# Altium PCB MS-002.23T003升降控制板PCB图 V1.0.PcbDoc (part 1 of 2) (continued)
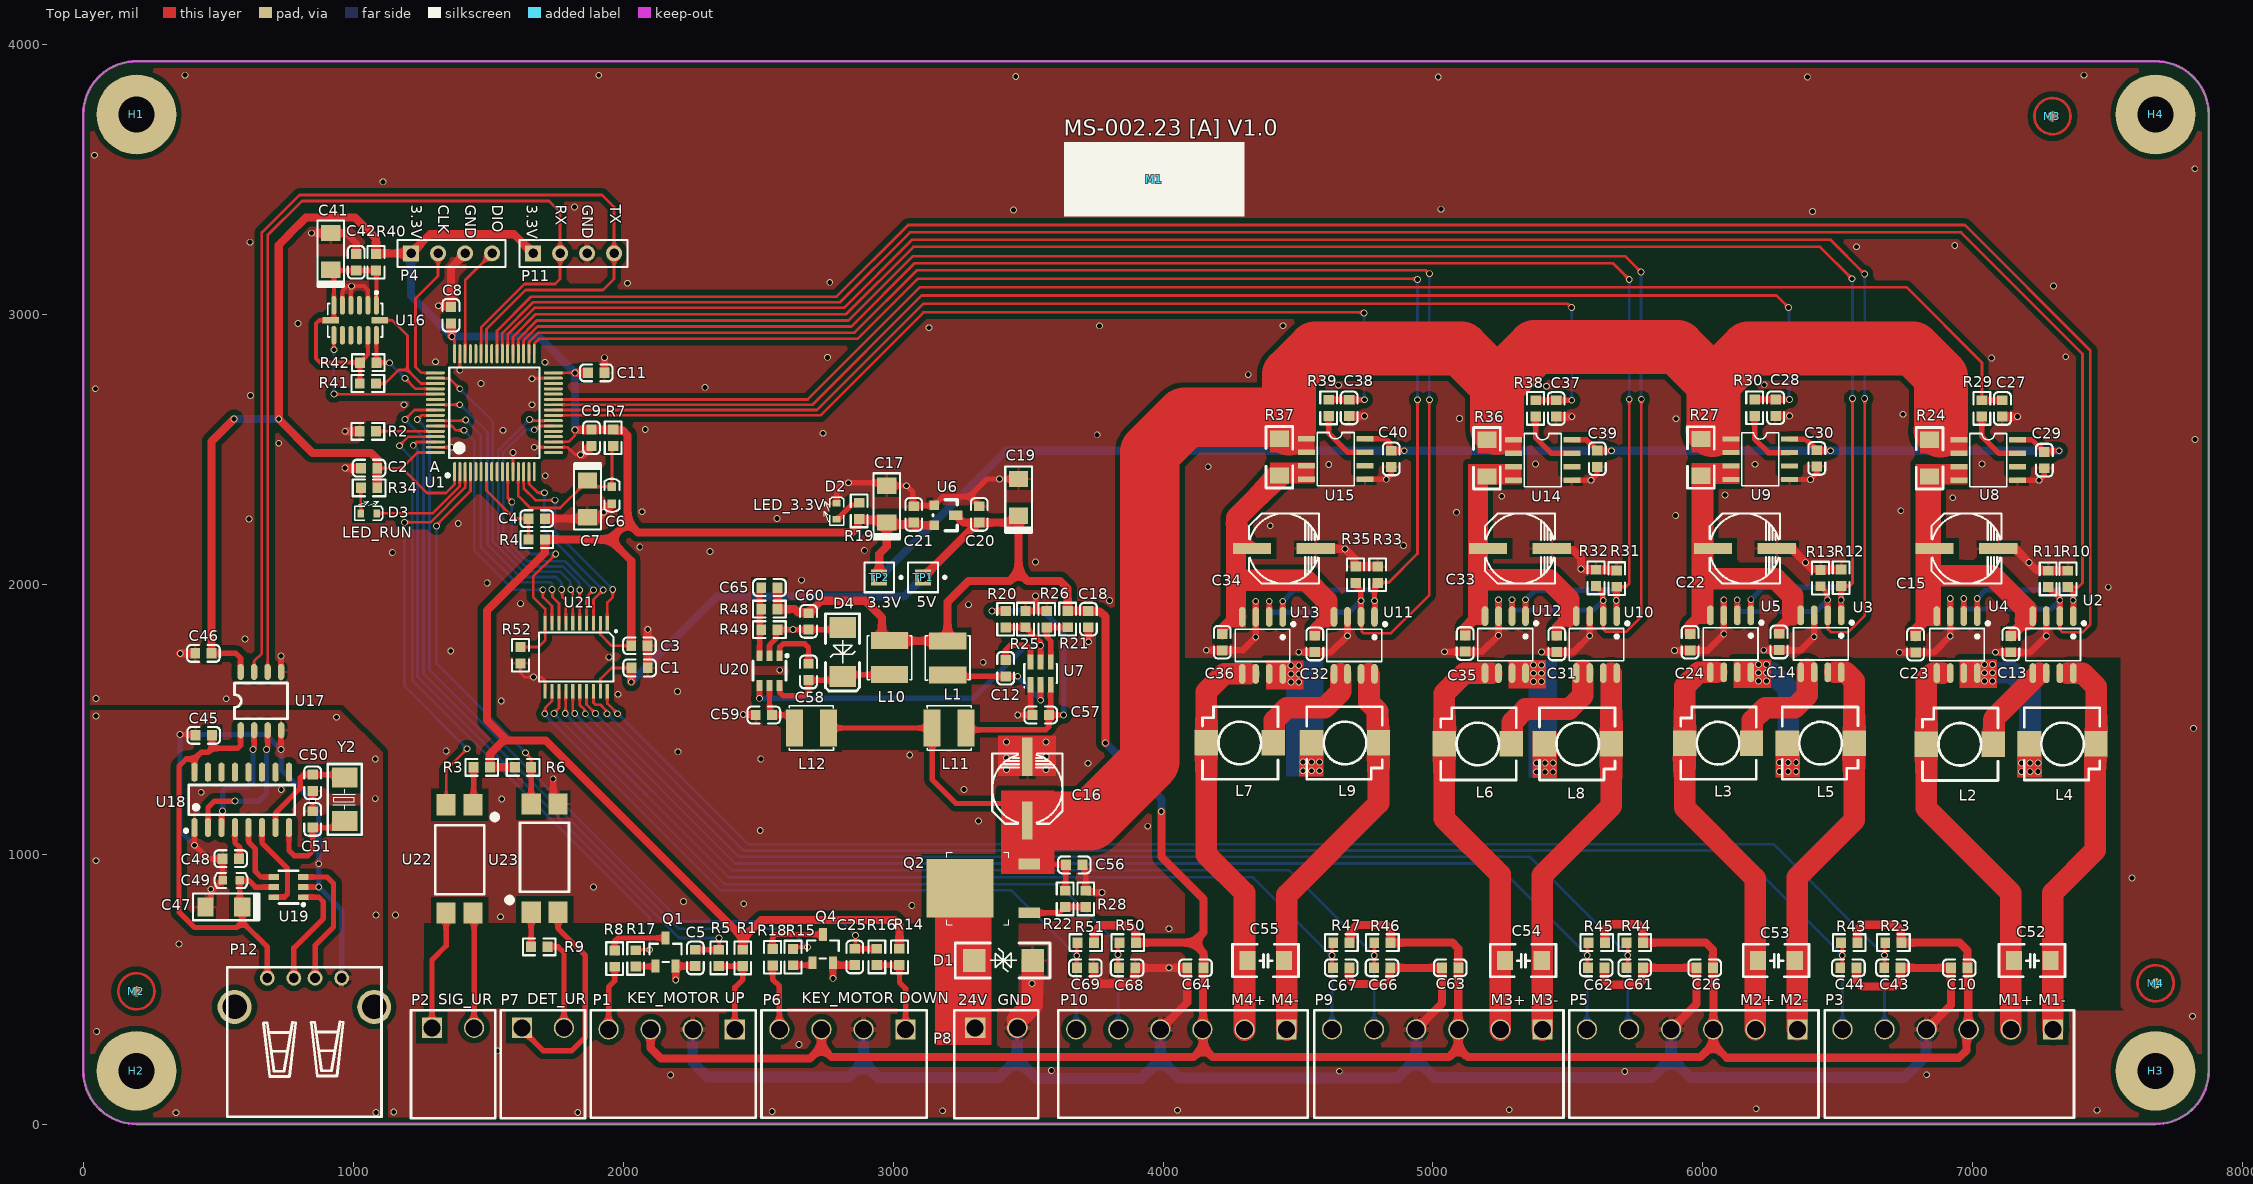
[diagram p0: Top Layer view]
## Components (designator, comment, footprint, x,y, rotation, side; value= is the part's Value field where it differs from the comment) (continued)

## Footprints (in the part's own frame and the unit in brackets; to place one, negate y for a bottom-side part, rotate by r counter-clockwise, add the part's x,y. Pads: shape width x height; smd on the part's side, far side on the other; paste and mask are expansions set on the pad)
2EDG4P-3R96-TH-W-L [mm] "THR - 3,96mm - PCB Horizontal Flange - 10p"
  rect 1.9x1.9 hole 1.6: 1(-5.94,0)
  round 1.9 hole 1.6: 2(-1.98,0) 3(1.98,0) 4(5.94,0)
  silkscreen extent -7.92,-1.8 7.62,8.3
"0603 cap 1.66mm" [mm]
  rect 0.8x0.8 smd: 1(-0.8,0) 2(0.8,0)
  silkscreen extent -1.56,-0.7 1.56,0.7
0603_LED [mil]
  rect 23.62x30 smd: 1(0,0) 2(59,0)
  silkscreen extent -23,-26 82,46
1206_C [mm]
  rect 1.524x1.8 smd: 1(0,0) 2(3.45,0)
  silkscreen extent -1.4,-1.55 4.8,1.52
1206_R [mm]
  rect 1.524x1.8 smd: 1(0,0) 2(3.45,0)
  silkscreen extent -1.17,-1.26 4.62,1.26, body extent 0.23,-0.77 3.43,0.83, height 0.58
"CAP 6.6×6.6" [mm]
  rect 3.6x1 smd: 1(3,0) 2(-3,0)
  silkscreen extent -3.3,-3.3 3.3,3.3
CASE-A_3216 [mm]
  rect 1.524x1.8 smd: 1(-1.725,0) 2(1.725,0)
  silkscreen extent -3.43,-1.27 2.9,1.27, body extent -1.65,-0.9 1.75,0.9, height 1.7
HDR1X4 [mm] "Connector; Header; 4 Position"
  rect 1.5x1.5 hole 0.9: 1(0,0)
  round 1.5 hole 0.9: 2(2.54,0) 3(5.08,0) 4(7.62,0)
  silkscreen extent -1.27,-1.27 8.89,1.27
"Header 2-3.96mm" [mm]
  rect 1.9x1.9 hole 1.6: 1(1.98,0)
  round 1.9 hole 1.6: 2(-1.98,0)
  silkscreen extent -3.96,-1.65 3.96,8.5
"Header 6-3.96mm" [mm]
  rect 1.9x1.9 hole 1.6: 1(0,0)
  round 1.9 hole 1.6: 2(3.96,0) 3(7.92,0) 4(11.88,0) 5(15.84,0) 6(19.8,0)
  silkscreen extent -1.98,-1.8 21.48,8.3
IND-SMD_L7.0-W7.0_SMDRS70XX [mm]
  rect 2.2x2.4 smd: 1(-3.15,0) 2(3.15,0)
  silkscreen extent -3.51,-3.4 3.6,3.4
L_4.0*4.0 [mm]
  rect 1.6x3.5 smd: 1(-1.486,-0.115) 2(1.714,-0.115)
  silkscreen extent -1.97,-2.21 2.2,1.98
Label [mil] "粘贴标签位置"
  silkscreen extent -335,-138 335,138
LC-0603_C [mm]
  rect 0.93x0.98 smd: 1(-0.77,0) 2(0.77,0)
  silkscreen extent -1.53,-0.79 1.54,0.79, body extent -0.8,-0.4 0.8,0.4, height 0.3
LC-0603_R [mm]
  rect 0.93x0.98 smd: 1(-0.77,0) 2(0.77,0)
  silkscreen extent -1.53,-0.79 1.54,0.79, body extent -0.85,-0.4 0.85,0.4, height 0.56
LC-LQFP-64_10x10x05P [mm]
  oval 0.28x1.8 smd mask+0.051: 1(-3.75,-5.55) 2(-3.25,-5.55) 3(-2.75,-5.55) 4(-2.25,-5.55) 5(-1.75,-5.55) 6(-1.25,-5.55) 7(-0.75,-5.55) 8(-0.25,-5.55) 9(0.25,-5.55) 10(0.75,-5.55) 11(1.25,-5.55) 12(1.75,-5.55) 13(2.25,-5.55) 14(2.75,-5.55) 15(3.25,-5.55) 16(3.75,-5.55) 33(3.75,5.55) 34(3.25,5.55) 35(2.75,5.55) 36(2.25,5.55) 37(1.75,5.55) 38(1.25,5.55) 39(0.75,5.55) 40(0.25,5.55) 41(-0.25,5.55) 42(-0.75,5.55) 43(-1.25,5.55) 44(-1.75,5.55) 45(-2.25,5.55) 46(-2.75,5.55) 47(-3.25,5.55) 48(-3.75,5.55)
  oval 1.8x0.28 smd mask+0.051: 17(5.55,-3.75) 18(5.55,-3.25) 19(5.55,-2.75) 20(5.55,-2.25) 21(5.55,-1.75) 22(5.55,-1.25) 23(5.55,-0.75) 24(5.55,-0.25) 25(5.55,0.25) 26(5.55,0.75) 27(5.55,1.25) 28(5.55,1.75) 29(5.55,2.25) 30(5.55,2.75) 31(5.55,3.25) 32(5.55,3.75) 49(-5.55,3.75) 50(-5.55,3.25) 51(-5.55,2.75) 52(-5.55,2.25) 53(-5.55,1.75) 54(-5.55,1.25) 55(-5.55,0.75) 56(-5.55,0.25) 57(-5.55,-0.25) 58(-5.55,-0.75) 59(-5.55,-1.25) 60(-5.55,-1.75) 61(-5.55,-2.25) 62(-5.55,-2.75) 63(-5.55,-3.25) 64(-5.55,-3.75)
  silkscreen extent -4.55,-6.05 4.25,4.25
LC-SOIC-16_150mil [mm]
  oval 0.6x1.8 smd: 1(-4.445,-2.6) 2(-3.175,-2.6) 3(-1.905,-2.6) 4(-0.635,-2.6) 5(0.635,-2.6) 6(1.905,-2.6) 7(3.175,-2.6) 8(4.445,-2.6) 9(4.445,2.6) 10(3.175,2.6) 11(1.905,2.6) 12(0.635,2.6) 13(-0.635,2.6) 14(-1.905,2.6) 15(-3.175,2.6) 16(-4.445,2.6)
  silkscreen extent -5.4,-3.05 4.97,1.4
LGA-14_L5.0-W3.0-P0.80-BL [mm]
  oval 0.448x1.769 smd: 1(-2,-1.41) 2(-1.2,-1.41) 3(-0.4,-1.41) 4(0.4,-1.41) 5(1.2,-1.41) 6(2,-1.41) 8(2,1.409) 9(1.2,1.409) 10(0.4,1.409) 11(-0.4,1.409) 12(-1.2,1.409) 13(-2,1.409)
  rect 1.545x0.6 smd: 7(2.298,0) 14(-2.297,0)
  silkscreen extent -2.58,-2.72 2.58,1.58
MARK [mm]
  round 1 smd mask+1: 0(0,0)
  Top Layer circle w0.254: c0,0 r1.7
OSC-SMD_12MHz [mm]
  rect 1.9x2.4 smd: 1(-2.05,0) 2(2.05,0)
  silkscreen extent -3.32,-1.6 3.33,1.6
PIN1 [mm] "Generic Antenna; 1 Lead"
  rect 1.5x1.5 hole 0.9: 1(0,0)
  silkscreen extent -1.4,-1.4 1.4,2.18
rz7899 [mm]
  oval 0.63x1.865 smd: 1(-1.905,-2.682) 2(-0.635,-2.682) 3(0.635,-2.682) 4(1.905,-2.682) 5(1.905,2.683) 6(0.635,2.683) 7(-0.635,2.683) 8(-1.905,2.683)
  silkscreen extent -3.05,-2.15 2.58,1.52
SMA [mm]
  rect 2x2.5 smd: A(0,0) K(4.6,0)
  silkscreen extent -1.3,-1.6 5.97,1.6
SMB [mm]
  rect 2.1x2.2 smd: A(0,0) K(5.5,0)
  silkscreen extent -1.63,-1.65 7.29,1.65
SOIC-8_L5.0-W4.0-P1.27-LS6.0-BL [mm]
  oval 0.6x1.518 smd: 1(-1.905,-2.74) 2(-0.635,-2.74) 3(0.635,-2.74) 4(1.905,-2.74) 5(1.905,2.74) 6(0.635,2.74) 7(-0.635,2.74) 8(-1.905,2.74)
  silkscreen extent -2.49,-1.67 2.5,1.7
SOP-4_L6.5-W4.6-P2.54-LS10.2-TL [mm]
  rect 2x1.8 smd: 1(-5.1,1.27) 2(-5.1,-1.27) 3(5.1,-1.27) 4(5.1,1.27)
  silkscreen extent -4.42,-2.29 3.32,3.79
SOP-8 [mm]
  rect 1.6x0.5 smd: 1(-2.75,1.905) 2(-2.75,0.635) 3(-2.75,-0.635) 4(-2.75,-1.905) 5(2.75,-1.905) 6(2.75,-0.635) 7(2.75,0.635) 8(2.75,1.905)
  silkscreen extent -1.73,-2.5 1.75,2.5, body extent -3.13,-2.53 3.13,2.53, height 1.76
SOT23-6 [mm] "SOT-23/SC-74A; 5 Leads; Body 3.1 x 3 mm, inc. leads (LxW max)"
  rect 0.55x1.45 smd: 1(-0.95,-1.075) 2(0,-1.075) 3(0.95,-1.075) 4(0.95,1.075) 5(0,1.075) 6(-0.95,1.075)
  silkscreen extent -1.57,-1.35 1.55,0.9
SOT-23#1 [mm]
  rect 0.75x1.2 smd: 1(-0.95,-1.325) 2(0.95,-1.325) 3(0,1.325)
  silkscreen extent -1.5,-0.93 1.5,0.77
SOT-23#2 [mm]
  rect 0.914x0.914 smd: 1(0,0) 2(1.905,0)
  rect 0.914x1.27 smd: 3(0.965,2.032)
  silkscreen extent -0.51,-0.13 2.41,2.16
SOT-23-6 [mm]
  rect 1x0.55 smd: 1(-1.4,0.95) 2(-1.4,0) 3(-1.4,-0.95) 4(1.4,-0.95) 5(1.4,0) 6(1.4,0.95)
  silkscreen extent -1.52,-1.55 0.9,1.78, body extent -1.4,-1.45 1.4,1.45, height 1.45
SOT-23-6_L2.9-W1.6-P0.95-LS2.8-BR [mm]
  rect 1x0.55 smd: 1(1.4,-0.95) 2(1.4,0) 3(1.4,0.95) 4(-1.4,0.95) 5(-1.4,0) 6(-1.4,-0.95)
  silkscreen extent -0.9,-1.78 1.52,1.55
THC7R5D3R4-M3-PTH#1 [mm]
  round 7.5 hole 3.4: 1(-13.415,7.497)
THC7R5D3R4-M3-PTH#2 [mm]
  round 7.5 hole 3.4: 1(-11.51,-87.202)
THC7R5D3R4-M3-PTH#3 [mm]
  round 7.5 hole 3.4: 1(169.473,-87.202)
THC7R5D3R4-M3-PTH#4 [mm]
  round 7.5 hole 3.4: 1(160.456,2.798)
TO-252 [mm]
  rect 1x2 smd: 1(-2.3,-3.25) 2(2.3,-3.25)
  rect 5.5x6.3 smd: 3(0,3.25)
  silkscreen extent -3.4,-1.3 3.4,4.5, body extent -3.25,-3.65 3.25,5.85, height 2.3
TSSOP-20 [mm]
  rect 1.35x0.3 smd: 1(-3.2,2.925) 2(-3.2,2.275) 3(-3.2,1.625) 4(-3.2,0.975) 5(-3.2,0.325) 6(-3.2,-0.325) 7(-3.2,-0.975) 8(-3.2,-1.625) 9(-3.2,-2.275) 10(-3.2,-2.925) 11(3.2,-2.925) 12(3.2,-2.275) 13(3.2,-1.625) 14(3.2,-0.975) 15(3.2,-0.325) 16(3.2,0.325) 17(3.2,0.975) 18(3.2,1.625) 19(3.2,2.275) 20(3.2,2.925)
  silkscreen extent -2.54,-3.5 2.3,3.84, body extent -3.3,-3.3 3.3,3.3
USB-A-TH_USB-A-F-90 [mm]
  round 3.2 hole 2.3: 0(-6.571,-1.359) 0(6.571,-1.359)
  round 1.4 hole 0.92: 1(-3.492,1.359) 2(-0.993,1.359) 3(1.008,1.359) 4(3.508,1.359)
  silkscreen extent -7.25,-11.7 7.26,2.37

## Part data
C1 C3 C12 C18 C20 C21 C27 C28 C29 C30 C37 C38 C39 C40 C42 C43 C44 C52 C53 C54 C55 C56 C57 C58 C59 C60 C61 C62 C65 C66 C67 C68 C69: library part Cap, "Capacitor", LatestRevisionDate=17-Jul-2002, LatestRevisionNote="Re-released for DXP Platform.", PackageDescription="Radial Cap, Thru-Hole; 2 Leads; 0.3 in Pin Spacing", PackageReference=RAD-0.3, Published=8-Jun-2000, Publisher="Altium Limited"
C2 C4 C6 C8 C9 C11: library part C
C5 C25 C45 C46 C48 C49: library part C0805, "C0805", PACKAGE=Tape&Reel, Allow Altenative Part=Y, Approved=YES, Categories=电容, Category=贴片电容, Modify time=2017年03月06号, Mounting Type=SurfaceMount, Part Number=C0805, Remark="BU 需求", serial number=4
C7 C15 C16 C17 C19 C22 C33 C34 C41 C47: library part "Cap Pol", "Capacitor-P", LatestRevisionDate=29-May-2009, LatestRevisionNote="IPC-7351 Footprint Added.", PackageDescription="Chip Capacitor", PackageReference=C0805, Published=8-Jun-2000, Publisher="Altium Limited"
C10 C13 C14 C23 C24 C26 C31 C32 C35 C36 C63 C64: library part "0603 100nF (104) 10% 50V", "贴片电容", PACKAGE=0603, SuppliersPartNumber=C14663, ComponentLink1Description=供应商链接, ComponentLink1URL=http://www.szlcsc.com/product/details_15331.html, Supplier=LC
C50 C51: library part C_2
D1: library part SSVT
D2 D3: library part LED1, "LED"
D4: library part DIODE_Schottky
H1 H2 H3 H4: library part M4-PTH, Allow Altenative Part=Y, Approved=YES, Categories=符号, Category=SCREW, Modify time=42779, Part Number=M4-PTH, serial number=18, Supplier 1=CRD
L1 L10 L11 L12: library part 101LP-00033OD.01, "SWPA4030S100MT", Operating Temperature=-40°C~105°C, PACKAGE=Tape&Reel, Rated Current=2.5A, Supplier Part Number 1=SLF7055T-100M2R5-3PF, Tolerance=±20%, Allow Altenative Part=Y, Approved=YES, Categories=电感, Category=功率电感, COMPONENTLINK 1 DESCRIPTION=OpenDatasheet, COMPONENTLINK 1 URL=https://product.tdk.com/info/en/catalog/datasheets/inductor_commercial_power_slf7055_en.pdf, Modify time=2016年2月28号, MOQ=1000, Mounting Type=SurfaceMount, Part Number=101LP-00033OD.01, Pricing 1=3.619, Remark="Verified by BU1（黄雄青） check list V1.0", serial number=41, Size=7x7x5.5mm, Supplier 1=TDK
L2 L3 L4 L5 L6 L7 L8 L9: library part Inductance
M1: library part LABEL
M2 M3 M4: "贴片所需MARK点"
P1 P6: library part HEADER4
P2 P7 P8: PACKAGE=Tubewithoutpad, Part Number=102NC-00001CY.01, Supplier Part Number 1=W8010211120AB, Allow Altenative Part=Y, Approved=YES, Categories=连接器, Category=VH连接器, COMPONENTLINK 1 DESCRIPTION=GetDatasheet, COMPONENTLINK 1 URL=http://www.fyconn.com/productView.asp?id=450, Modify time=2017年03月10号, Mounting Type=ThroughHole, Remark="Verified by BU4（陈雪莹） check list V2.0", serial number=544, Supplier 1=富盈源
P3 P5 P9 P10: library part 6PIN
P4 P11: PACKAGE=Tubewithoutpad, Part Number=102NC-00002CY.01, Supplier Part Number 1=W8010411120AB, Allow Altenative Part=Y, Approved=YES, Categories=连接器, Category=VH连接器, COMPONENTLINK 1 DESCRIPTION=GetDatasheet, COMPONENTLINK 1 URL=http://www.fyconn.com/productView.asp?id=450, Modify time=2017年03月10号, Mounting Type=ThroughHole, Remark="Verified by BU4（陈雪莹） check list V2.0", serial number=545, Supplier 1=富盈源
P12: library part Mcro_usb
Q1 Q4: library part NPN, "NPN", Code_JEDEC=TO-226-AA, LatestRevisionDate=17-Jul-2002, LatestRevisionNote="Re-released for DXP Platform.", PackageDescription="TO, Flat Index; 3 In-Line, Axial Leads; Body Dia. 4.8mm; Leads 0.55 x 0.51 mm (max)", PackageReference=TO-226-AA, Published=8-Jun-2000, Publisher="Altium Limited"
Q2: library part P-MOSFET, "MOS"
R1 R2 R4 R5 R6 R9 R10 R11 R12 R13 R14 R16 R23 R31 R32 R33 R35 R41 R42 R43 R44 R45 R46 R47 R50 R51 R52: library part "0603 10KΩ (1002) 1%", "贴片电阻", PACKAGE=0603, SuppliersPartNumber=C25804, ComponentLink1Description=供应商链接, ComponentLink1URL=http://www.szlcsc.com/product/details_26547.html, Supplier=LC
R3 R8 R15 R17 R18 R34: library part "0603 1KΩ (1001) 1%", "贴片电阻", PACKAGE=0603, SuppliersPartNumber=C21190, ComponentLink1Description=供应商链接, ComponentLink1URL=http://www.szlcsc.com/product/details_21904.html, Supplier=LC
R7 R29 R30 R38 R39 R40: library part "0603 10Ω (10R0) 1%", "贴片电阻", PACKAGE=0603, SuppliersPartNumber=C22859, ComponentLink1Description=供应商链接, ComponentLink1URL=http://www.szlcsc.com/product/details_23586.html, Supplier=LC
R19 R20 R21 R22 R25 R26 R28 R48 R49: library part Res1, "Resistor"
R24 R27 R36 R37: library part "0603 10KΩ (1002) 1%", "贴片电阻", ComponentLink1Description=供应商链接, ComponentLink1URL=http://www.szlcsc.com/product/details_26547.html
TP1 TP2: library part TP, "Test Point"
U1: library part STM32F103R
U6: library part LDO-SOT23, "LDO"
U7: library part TPS54202
U8 U9 U14 U15: BOM_JLCPCB Part Class="Extended Part", BOM_Manufacturer=CrossChip(成都芯进), BOM_Manufacturer Part=CC6920BSO-10A, BOM_Supplier=LCSC, BOM_Supplier Part=C2880431, Contributor=LCSC, spicePre=U, spiceSymbolName=CC6920BSO-10A
U17: library part ADUM1201
U18: "USB", PACKAGE=SOIC-16_150mil, SuppliersPartNumber=C14267, ComponentLink1Description=供应商链接, ComponentLink1URL=http://www.szlcsc.com/product/details_14927.html, Supplier=LC
U21: library part UM3208UK
U22 U23: library part KPC357NT, "KPC357NT", LatestRevisionDate=17-Jul-2002, LatestRevisionNote="Re-released for DXP Platform.", Published=24-Mar-1999, Publisher="Altium Limited"
Y2: library part XTAL, "Crystal Oscillator", LatestRevisionDate=17-Jul-2002, LatestRevisionNote="Re-released for DXP Platform.", Published=8-Jun-2000, Publisher="Altium Limited"

## Via types
v1: diameter 25, hole 18, Top Layer to Bottom Layer, tented both sides, 362 vias
v2: diameter 25, hole 18, Top Layer to Bottom Layer, 1 vias

## Nets (pads, with @x,y where several pads share a name; then routed paths per layer and width w, separated by ;. In a path a pad name is that pad's centre, name@x,y a point inside that pad or via, vN(x,y) a via of type N, cw(c..) or ccw(c..) an arc to the next point about the centre after c; other vN are vias at no path point)
3D_INT: U1.53 U16.8 | length 594.1
  Top Layer w10: v1(928.42,2703.94) U1.53@1304.5,2703.94 ; v1@928.45,2868.61 U16.8@928.45,2921.95
  Bottom Layer w10: v1(928.42,2703.94) v1(928.42,2868.58)
5V: C1.2 C10.1 C18.2 C19.1 C20.2 C26.1 C60.2 C63.1 C64.1 C65.2 L1.2 L10.2 P1.3 P3.3 P5.3 P6.3 P9.3 P10.3 R21.2 R23.2 R43.2 R44.2 R45.2 R46.2 R47.2 R48.2 R50.2 R51.2 TP1.1 U6.3 U21.19 | length 14149.9
  Top Layer w10: U21.19@1915.69,1603.72 1915.69,1648.69 1956.6,1689.61 C1.2@2030.55,1689.61
  Top Layer w30: v1(2030.07,1637.97) 2030.07,1689.13 C1.2@2030.55,1689.61 ; P1.3@2102.01,350.41 2102.01,281.76 2140.75,243.02 2692.38,243.02 2734.75,285.39 ; C65.2@2572.41,1987.39 R48.2@2572.41,1907.37 2635.72,1907.37 2647.52,1895.56 2683.32,1895.56 C60.2@2686.63,1892.25 2687.62,1892.25 2733.94,1938.57 2896.12,1938.57 2958.69,1876 2958.69,1807.02 2975.19,1790.52 L10.2@2986.89,1790.52 2987.36,1790.05 L1.2@3201.84,1790.05 ; P6.3@2734.75,350.41 2734.75,285.39 ; TP1.1@3111.02,2024.98 3310.73,2224.69 3316.08,2224.69 C20.2@3319.39,2228 ; 3202.31,1894.84 3202.31,1790.52 L1.2@3201.84,1790.05 ; U6.3@3232.68,2254.75 3239.68,2254.75 3242.68,2251.75 3242.68,2245.57 3260.25,2228 C20.2@3319.39,2228 ; R51.2@3744.06,671.79 3747.36,675.1 3747.36,714.89 3768.6,736.13 3877.51,736.13 3899.36,714.28 R50.2@3899.36,671.79 4112.86,671.79 ; v1(3786.45,1411.13) 3786.45,1879.51 3768.5,1897.46 3726.95,1897.46 C18.2@3723.64,1900.77 R21.2@3646.55,1900.77 3646.55,1984.84 3619.38,2012.01 3497.77,2012.01 3465.03,2044.75 ; v1(3993.75,1158.02) 3993.75,989.67 4150.52,832.9 4150.52,709.45 4112.86,671.79 ; C64.1@4148.9,578.12 4148.9,283.66 ; C64.1@4150.52,577.9 4150.52,634.13 4112.86,671.79 ; R47.2@4691.4,671.79 4694.71,675.1 4694.71,713.19 4719.29,737.76 4825.48,737.76 4843.33,719.92 R46.2@4843.33,671.79 5072.61,671.79 5093.75,650.65 5093.75,350.51 P9.3@5093.85,350.41 5093.85,282.77 ; R45.2@5637.09,671.79 5637.09,722.57 5654.66,740.14 5760.8,740.14 5778.38,722.57 R44.2@5778.38,671.79 6010.84,671.79 6037.26,645.37 C26.1@6037.26,578.56 6037.26,577.9 6038.86,576.29 P5.3@6038.86,350.85 ; P5.3@6038.42,350.41 6038.42,295.24 ; R43.2@6572.36,671.79 6572.36,718.99 6591.69,738.33 6713.21,738.33 6732.99,718.54 6732.99,675.1 R23.2@6736.3,671.79 6951.34,671.79 6980.06,643.07 C10.1@6980.06,578.56 ; C10.1@6980.06,577.9 6983.08,574.87 6983.08,352.31 P3.3@6984.98,350.41 6976.41,341.83 6976.41,272.28 6949.41,245.29 6088.37,245.29 6038.42,295.24 ; 2734.75,285.39 2772.62,247.52 4112.75,247.52 4148.9,283.66 ; L1.2@3201.84,1790.05 3201.84,1934.17 3279.68,2012.01 3432.29,2012.01 3465.03,2044.75 ; C20.2@3319.39,2228 3434.1,2228 3459.6,2253.5 3465.03,2248.06 3465.03,2044.75 ; 4148.9,283.66 4184.05,248.51 5059.6,248.51 5093.85,282.77 ; 5093.85,282.77 5129,247.62 5990.8,247.62 6038.42,295.24
  Bottom Layer w30: v1(2030.07,1637.97) 2346.9,1954.8 3040.84,1954.8 TP1.1@3111.02,2024.98 ; P6.3@2734.75,346.12 P6.3@2734.75,350.41 ; v1(3786.45,1411.13) 3993.75,1203.83 v1(3993.75,1158.02) ; P10.3@4146.13,345.23 P10.3@4146.13,350.41
5V_USB: C45.1 C47.1 C49.2 P12.1 U17.1 U18.16 U19.5 | length 1773
  Top Layer w20: U18.16@410.36,1301.45 412.04,1303.12 U18.16@412.04,1303.27 412.73,1303.96 412.73,1353.12 ; C45.1@476.45,1439.82 476.45,1391.48 ; U17.1@582.94,1458.77 582.94,1403.2 571.22,1391.48 476.45,1391.48 ; C47.1@588.92,804.25 C47.1@588.92,794.93 ; P12.1@681.68,540.65 681.68,655.88 588.92,748.64 ; U19.5@705.33,877.66 637.25,877.66 613.12,901.79 579.61,901.79 579.61,804.25 C47.1@588.92,794.93 ; 412.73,1353.12 381.68,1353.12 354.55,1325.99 354.55,785.16 411.93,727.78 568.07,727.78 588.92,748.64 ; 412.73,1353.12 436.67,1377.06 462.04,1377.06 476.45,1391.48 ; 588.92,748.64 C47.1@588.92,794.93
24VIN: C16.1 C56.2 L11.1 L12.1 Q2.2 R22.2 R24.1 R27.1 R36.1 R37.1 U8.1 U8.2 U9.1 U9.2 U14.1 U14.2 U15.1 U15.2 | length 6766.9
  Top Layer w20: L12.1@2760.49,1466.89 L11.1@3144.81,1466.92 3144.79,1276.55 3233.85,1187.48 3417.57,1187.48 ; Q2.2@3504.66,963.21 3506.42,961.46 3639.29,961.46 C56.2@3641.05,959.71 3639.3,957.96 3639.3,866.05 R22.2@3637.55,864.3
  Top Layer w40: R37.1@4431.03,2538.27 R37.1@4432.31,2539.56
  Top Layer w200: 4466.81,2575.97 4466.81,2776.07 4562.9,2872.15 5104.96,2872.15 5237.92,2739.2 ; 5237.92,2577.53 5237.92,2739.2 ; 6035.95,2571.74 6039.06,2574.85 6039.06,2745.11 ; 6879.68,2568.96 6882.8,2572.08 6882.8,2769.12 6778.91,2873.01 6166.97,2873.01 6039.06,2745.11 ; 5237.92,2739.2 5376.85,2878.13 5906.04,2878.13 6039.06,2745.11
  Top Layer w220: C16.1@3513.63,1122.69 3730.3,1122.69 3951.47,1343.86 3951.47,2488.7 4080.35,2617.57 4412.42,2617.57
EN: R20.1 R25.2 U7.5 U20.4 | length 1397.4
  Top Layer w20: U20.4@2504.69,1624.65 2504.36,1624.32 2505.13,1623.54 v1(2505.13,1576.95) ; R20.1@3416.82,1839.96 3416.97,1840.11 3490.41,1840.11 R25.2@3490.56,1840.26 3491.55,1840.26 3545.24,1786.57 3545.24,1774.68 v1(3546.77,1773.15) U7.5@3546.77,1711.66
  Bottom Layer w20: v1(2505.13,1576.95) 3295.85,1576.95 3492.04,1773.15 v1(3546.77,1773.15)
GND: C1.1 C2.1 C3.1 C4.1 C5.2 C6.2 C7.2 C8.1 C9.2 C10.2 C11.2 C13.1 C14.1 C15.2 C16.2 C17.2 C18.1 C19.2 C20.1 C21.1 C22.2 C23.1 C24.1 C25.2 C26.2 C27.1 C28.1 C29.1 C30.1 C31.1 C32.1 C33.2 C34.2 C35.1 C36.1 C37.1 C38.1 C39.1 C40.1 C41.2 C42.1 C43.1 C44.1 C46.2 C56.1 C57.1 C59.1 C60.1 C61.1 C62.1 C63.2 C64.2 C66.1 C67.1 C68.1 C69.1 D1.A D2.2 D4.A P1.2 P3.4 P4.3 P5.4 P6.2 P8.2 P9.4 P10.4 P11.3 Q1.2 Q4.2 R2.2 R10.1 R11.1 R12.1 R13.1 R25.1 R26.1 R28.1 R31.1 R32.1 R33.1 R35.1 R49.1 R52.2 U1.12 U1.18 U1.31 U1.47 U1.63 U2.3 U3.3 U4.3 U5.3 U6.1 U7.1 U8.5 U9.5 U10.3 U11.3 U12.3 U13.3 U14.5 U15.5 U16.2 U16.4 U16.5 U17.5 U20.2 U21.11 U23.3 | length 17584.7
  Top Layer w10: U1.63@1304.5,2507.09 v1(1365.28,2507.09) ; v1(1395.06,2793.06) U1.47@1395.06,2853.55 ; U1.12@1591.91,2416.54 v1(1591.91,2487.4) ; R52.2@1619.6,1706.5 1619.6,1670.54 1634.59,1655.55 v1(1668.19,1655.55) 1697.61,1655.55 1710.96,1642.2 U21.11@1710.96,1603.72 ; v1(1662.64,2760.95) 1664.5,2762.8 1741.32,2762.8 U1.31@1741.51,2763 ; v1(1670.65,2507.09) 1793.89,2507.09 1821.48,2479.5 v1(1842.43,2479.5)
  Top Layer w15: U16.5@959.97,3032.96 959.97,3086.44 977.54,3104.01 v1(993.54,3104.01) ; U16.4@991.47,3032.96 991.47,3101.93 v1(993.54,3104.01) ; U16.2@1054.46,3032.96 1054.46,3089.54 1039.98,3104.01 v1(993.54,3104.01) ; v1(4022.17,578.78) v1@4022.28,578.67 ; C64.2@4089.87,578.67 C64.2@4089.98,578.56
  Top Layer w20: U17.5@732.94,1674.52 v1(732.94,1733.5) ; Q1.2@2194.66,584.91 Q1.2@2194.66,584.91 ; v1(2194.74,533.49) v1(2194.74,533.49) ; v1(2444.91,1516.86) 2483.62,1516.86 C59.1@2490.39,1510.09 ; U20.2@2542.09,1734.89 2542.09,1774.15 2566.01,1798.06 2566.01,1825.22 R49.1@2572.41,1831.62 C60.1@2686.63,1831.62 2805.16,1831.62 D4.A@2812.91,1839.38 ; Q4.2@2777.1,593.2 Q4.2@2781.87,588.43 ; D2.2@2791.16,2299.68 2791.16,2349.12 2817.75,2375.71 2965.51,2375.71 C17.2@2976.63,2364.59 v1(3050.07,2364.59) 3073.21,2341.45 3073.21,2296.06 3078.58,2290.69 3150.62,2290.69 U6.1@3152.68,2292.75 3184,2324.07 3282.96,2324.07 ; C20.1@3319.39,2288.63 3318.4,2288.63 3282.96,2324.07 ; v1(3461.89,1515.2) C57.1@3516.46,1515.2 3522.37,1515.2 3509.37,1528.2 U7.1@3509.37,1627.02 ; C19.2@3465.03,2389.32 3348.21,2389.32 3282.96,2324.07 ; R25.1@3490.56,1900.89 3490.72,1900.74 3529.99,1900.74 ; C16.2@3496.58,1401.99 3496.58,1406.12 C16.2@3506.06,1415.61 ; v1(3527.84,1955.85) 3527.84,1902.9 3529.99,1900.74 ; R26.1@3569.42,1900.59 3569.27,1900.74 3529.99,1900.74 ; C56.1@3701.68,959.71 3701.68,958.72 3713.74,946.66 R28.1@3713.74,864.3 R28.1@3720.83,857.21 ; v1(3723.64,1786.57) C18.1@3723.64,1840.14 ; U15.5@4747.83,2388.27 v1(4827,2388.27) 4845.55,2406.83 C40.1@4845.55,2433.53 ; U14.5@5514.4,2384.62 v1(5585.14,2384.62) 5607.97,2407.46 5607.97,2433.45 C39.1@5608.96,2434.44 ; U9.5@6320.57,2387.46 v1(6398.58,2387.46) 6422.07,2410.95 C30.1@6422.07,2435.36 ; U8.5@7165.59,2384.62 v1(7245.25,2384.62) 7265.05,2404.42 C29.1@7265.05,2429.16
  Top Layer w25: v1(845.24,3300.31) C41.2@916.93,3300.31 974,3300.31 1010.95,3263.36 C42.1@1010.95,3222.59 ; v1(1316.05,3031.45) 1357.24,3031.45 C8.1@1362.24,3026.46 ; v1(1740.71,1278.77) 1740.71,1204.3 U23.3@1759.35,1185.67 ; C11.2@1931.05,2782.68 v1(1931.05,2838.99) ; v1(2194.74,533.49) Q1.2@2194.66,584.91 ; Q1.2@2194.74,584.83 C5.2@2267.4,584.83 ; v1(2777.1,539.5) Q4.2@2777.1,593.2 ; Q4.2@2781.87,588.43 C25.2@2858.04,588.43 ; C16.2@3506.06,1415.61 v1(3566.71,1415.61) ; R28.1@3720.83,857.21 v1(3774.38,857.21) ; v1(4160.41,1754.86) C36.1@4219.38,1754.86 4294.94,1754.86 v1(4343.7,1803.62) U13.3@4343.7,1878.7 v1(4343.7,1936.65) ; v1(4503.01,1748) C32.1@4562.73,1748 4622.87,1748 v1(4683.5,1808.63) U11.3@4683.5,1878.7 ; v1(5042.44,1749.74) C35.1@5119.42,1749.74 5182.33,1749.74 v1(5242.96,1810.37) U12.3@5242.96,1881.53 v1(5242.96,1942.25) ; v1(5401.8,1748.14) C31.1@5458.95,1748.14 5520.32,1748.14 v1(5580.95,1808.77) U10.3@5580.95,1881.53 ; v1(5895.34,1754.54) C24.1@5952.81,1754.54 6017.16,1754.54 v1(6077.79,1815.17) U5.3@6077.79,1884.38 v1(6077.79,1941.55) ; v1(6225.38,1755.48) C14.1@6282.25,1755.48 6362.9,1755.48 v1(6412.33,1804.91) U3.3@6412.33,1884.38 ; v1(6727.8,1747.34) C23.1@6787.9,1747.34 6855.91,1747.34 v1(6916.54,1807.97) U4.3@6916.54,1881.53 v1(6916.54,1947.07) ; v1(7083.84,1747.69) 7083.95,1747.58 7140.65,1747.58 C13.1@7140.76,1747.47 7211.78,1747.47 v1(7272.41,1808.1) U2.3@7272.41,1881.53
  Top Layer w30: v1(359.16,1743.37) C46.2@414.79,1743.37 ; v1(970.12,2429.89) 1028.22,2429.89 C2.1@1028.29,2429.82 ; v1(970.12,2566.14) R2.2@1021.65,2566.14 ; C42.1@1006.66,3219.28 C42.1@1006.66,3225.9 ; C8.1@1362.24,3026.46 1362.24,3029.76 1362.24,3172.22 1414.36,3224.34 P4.3@1414.36,3225.5 ; C4.1@1709.83,2242.53 1903.29,2242.53 C6.2@1958.38,2297.62 ; v1(1842.43,2479.5) 1850.45,2479.5 C9.2@1882.92,2511.98 ; C1.1@2091.18,1689.61 2090.94,1689.85 2090.94,1771.57 C3.1@2090.7,1771.81 2091.18,1772.28 v1(2091.18,1832.53) ; Q1.2@2194.66,584.91 Q1.2@2194.74,584.83 ; C5.2@2267.4,584.83 C5.2@2267.48,584.75 ; C69.1@3742.72,578.56 3746.03,575.25 3746.03,541.89 3768.18,519.74 3880.25,519.74 3893.75,533.24 3893.75,575.25 C68.1@3897.05,578.56 4021.95,578.56 v1(4022.17,578.78) ; P10.4@3990.23,350.41 4089.98,450.16 C64.2@4089.98,578.56 ; v1@4022.28,578.67 C64.2@4089.87,578.67 ; C34.2@4565.74,2130.57 v1(4674.4,2130.57) 4709.11,2095.86 4709.11,2068.81 4712.42,2065.5 4717.41,2065.5 4717.7,2065.22 R33.1@4790.93,2065.22 ; C38.1@4689.58,2622.62 v1(4746.27,2622.61) ; C67.1@4693.6,575.25 C67.1@4690.29,578.56 4690.29,535.62 4707.86,518.05 4824.21,518.05 4838.48,532.31 4838.48,575.25 C66.1@4841.79,578.56 5032.19,578.56 C63.2@5033.83,576.91 ; P9.4@4937.95,350.41 5033.83,446.29 C63.2@5033.83,576.91 ; C63.2@5033.83,578.56 C63.2@5033.83,576.91 ; C37.1@5456.7,2620.56 v1(5514.4,2620.56) ; C33.2@5464.34,2134.68 5472.96,2126.06 5518.98,2126.06 5548.62,2096.42 v1(5548.62,2055.72) R32.1@5587.8,2055.72 ; R32.1@5604.08,2053.34 5605.24,2052.17 5679.78,2052.17 R31.1@5680.95,2051.01 ; C62.1@5635.13,578.56 5635.13,533.36 5652.7,515.79 5760.62,515.79 5774.89,530.05 5774.89,575.25 C61.1@5778.19,578.56 5974.99,578.56 5975.81,577.73 5976.14,577.41 C26.2@5976.63,576.91 ; P5.4@5882.51,350.41 5976.63,444.53 C26.2@5976.63,576.91 ; C26.2@5976.63,578.56 C26.2@5976.63,576.91 ; C28.1@6269.27,2623.41 v1(6320.57,2623.41) ; C22.2@6287.3,2135.34 6324.7,2135.34 6403.81,2056.23 6432.55,2056.23 R13.1@6435.86,2052.92 6436.21,2053.28 6511.98,2053.28 R12.1@6512.33,2053.63 ; C44.1@6569.42,578.56 6569.42,527.34 6587,509.77 6712.49,509.77 6732.63,529.92 C43.1@6732.63,578.56 6917.78,578.56 C10.2@6919.43,576.91 ; P3.4@6829.08,350.41 6919.43,440.76 C10.2@6919.43,576.91 ; C10.2@6919.43,578.56 C10.2@6919.43,576.91 ; C27.1@7109.79,2620.56 v1(7165.59,2620.56) ; C15.2@7119.23,2131.41 7156.63,2131.41 7235.29,2052.75 7275.86,2052.75 R11.1@7279.17,2049.44 R10.1@7352.47,2049.44
  Top Layer w40: P5.4@5882.51,350.41 P5.4@5889.17,343.75
  Top Layer w80: P8.2@3460.06,356.41 3460.06,386.47 3516.07,442.48 3516.07,604.45 D1.A@3517.41,605.79
  Bottom Layer w40: P1.2@2257.91,350.41 2257.91,228.8 2312.15,174.56 2837.24,174.56 2890.65,227.97 ; P6.2@2890.65,350.41 2890.65,227.97 ; P8.2@3460.06,356.41 3460.06,239.97 ; P10.4@3990.23,350.41 3990.23,239.42 ; P9.4@4937.95,350.41 4937.95,241.16 ; P5.4@5882.51,350.41 5882.51,244.23 ; P3.4@6829.08,350.41 6826.71,348.04 6826.71,253 6745.43,171.72 5955.03,171.72 5882.51,244.23 ; 2890.65,227.97 2946.41,172.21 3392.31,172.21 3460.06,239.97 ; 3460.06,239.97 3531.62,168.4 3919.21,168.4 3990.23,239.42 ; 3990.23,239.42 4058.82,170.82 4867.61,170.82 4937.95,241.16 ; 4937.95,241.16 5006.73,172.38 5810.66,172.38 5882.51,244.23
  other v1: 1832.01,42.95 1150.07,44.47 2552.08,46.14 3183.62,48.88 4053.6,50.87 7460.23,51.36 5282.57,53.03 6197.42,56.63 2176,181.16 6829.08,182.69 5710.7,194.28 4653.25,195.66 3586.35,198.23 1534.13,271.07 2651.77,294.48 7814.17,399.19 3514.49,520.46 4022.28,723.41 1545.64,767.95 1157.02,773.91 3069.46,809.52 2446.7,816.18 2223.56,823.86 1890.39,877.85 7589.42,911.64 2507.75,1087.4 3943.44,1103.42 3316.64,1122.69 1550.37,1204.3 3262.36,1239.41 3420.32,1313.26 3566.71,1313.26 3722.1,1336.41 2510.15,1352.52 3420.32,1356.18 3566.71,1361.18 3061.57,1366.65 2203.28,1378.75 1344.32,1381.79 3420.32,1415.61 7817.79,1465.72 1548.38,1566.94 529.8,1575.31 46.79,1576.13 1981.16,1592.19 2201.32,1602.05 2580.32,1681.32 3333.8,1710.42 1947.65,1729.52 1361.15,1751.99 598.98,1797.21 2629.52,1831.62 3279.68,1924.07 1619.6,1927.65 3802.02,1939.35 7501.69,1988.81 1496.21,2004.42 2660.68,2014.75 6380.32,2079.64 7208.63,2080.26 3527.84,2082.02 1145,2117.31 2321.35,2120.99 2893.51,2125.1 2061.85,2137.5 4891.29,2142.85 4397.3,2216.09 1389.18,2224.38 614.35,2241.41 2570.38,2243.19 5899.28,2254.74 1928.37,2266.46 5087.68,2266.01 2070.08,2267.96 6733.43,2271.65 6925.48,2320.16 5255.05,2325.85 6081.72,2330.49 2834.53,2375.71 3394.26,2389.32 1711.59,2401.52 4167.2,2434.68 4613.82,2443.63 6192.87,2444.12 5380.22,2445 7033.73,2445 724.12,2521.72 7822.86,2536.21 3755.95,2553.12 2740.46,2558.98 1555.32,2570 2081.74,2572.61 5900.07,2612.62 5098.65,2613.84 6741.79,2629.62 1187.92,2664.57 1662.64,2664.57 619.59,2698.73 44.66,2723.73 2303.65,2729.01 5420.99,2733.26 4650.29,2737.17 6227.62,2738.34 1473.8,2743.31 4315.7,2776.07 1710.15,2821.97 1304.5,2823.63 7069.84,2838.14 2757.53,2840.16 7344.11,2842.42 3133.4,2950.07 3764.66,2956.87 4444.21,2957.27 795.92,2965.22 7299.15,3104.19 2016.36,3114.93 2765.66,3118.05 6569.23,3249.72 6933.25,3254.55 618.05,3266.94 6405.87,3380.39 3446.28,3386.42 5029.48,3389.29 1819.61,3397.57 1110.57,3490.34 7822.66,3539.02 41.64,3588.99 5019.84,3878.49 6387,3878.49 3454.4,3880.66 1909.64,3885 376.81,3885.65 7412.05,3885.65
GND_USB: C45.2 C47.2 C48.1 C49.1 C50.1 C51.1 P12.4 U17.4 U18.1 U19.2 | length 2426.3
  Top Layer w20: v1(358.3,1442.81) 412.83,1442.81 C45.2@415.82,1439.82 ; U18.1@412.04,1098.54 v1(412.04,1032.85) 462.04,982.85 C48.1@516.01,982.85 C49.1@516.01,902.39 473.1,859.48 473.1,824.25 C47.2@453.1,804.25 ; v1(732.94,1387.42) U17.4@732.94,1458.77 ; U19.2@815.56,877.66 v1(872.37,877.66) ; C51.1@849.75,1158.72 v1(849.75,1196.16) C50.1@849.75,1233.6
  Bottom Layer w20: v1(412.04,1032.85) 358.3,1086.58 v1(358.3,1442.81) 677.55,1442.81 v1(732.94,1387.42) 732.94,1312.98 v1(849.75,1196.16) 849.75,1193.99 872.37,1171.38 v1(872.37,963.95) v1(872.37,877.66) 957.28,792.74 P12.4@957.28,540.65
  other v1: 343.62,41.64 1084.44,42.84 49.45,342.34 354.55,666.89 1084.38,773.91 472.13,869.89 47.05,975.17 1081.56,1205.29 436.67,1228.93 733.16,1238.6 1081.56,1352.1 938.5,1506.82 46.79,1511.22
IIC_SCL: R41.1 U1.51 U16.14 | length 515.7
  Top Layer w10: R41.1@1084.77,2743.31 1118.48,2743.31 1168.23,2793.06 1200.99,2793.06 ; U16.14@1097.67,2977.47 1144.77,2977.47 1200.99,2921.25 1200.99,2793.06 ; U1.51@1304.5,2743.31 1250.74,2743.31 1200.99,2793.06
IIC_SDA: R42.1 U1.52 U16.13 | length 360.3
  Top Layer w10: v2(1191.68,2763) 1231.05,2723.63 U1.52@1304.5,2723.63
  Top Layer w15: U16.13@1085.96,2921.97 R42.1@1085.96,2820.35 1086.25,2820.05 1134.39,2820.05 v1(1134.69,2819.76)
  Bottom Layer w10: v1(1134.69,2819.76) 1134.92,2819.76 v2(1191.68,2763)
M1_Out1_A: U1.14 U21.1 | length 748.4
  Top Layer w10: U1.14@1631.28,2416.54 1631.28,2355.2 1675.28,2311.19 v1(1747.48,2311.19) ; U21.1@1941.28,1855.69 1941.28,1932.25 1961.64,1952.61 v1(1961.64,1980.31)
  Bottom Layer w10: v1(1747.48,2311.19) 1747.48,2194.47 v1(1961.64,1980.31)